# Allegro board Mic_Array_main_250pcs_release.brd (continued)
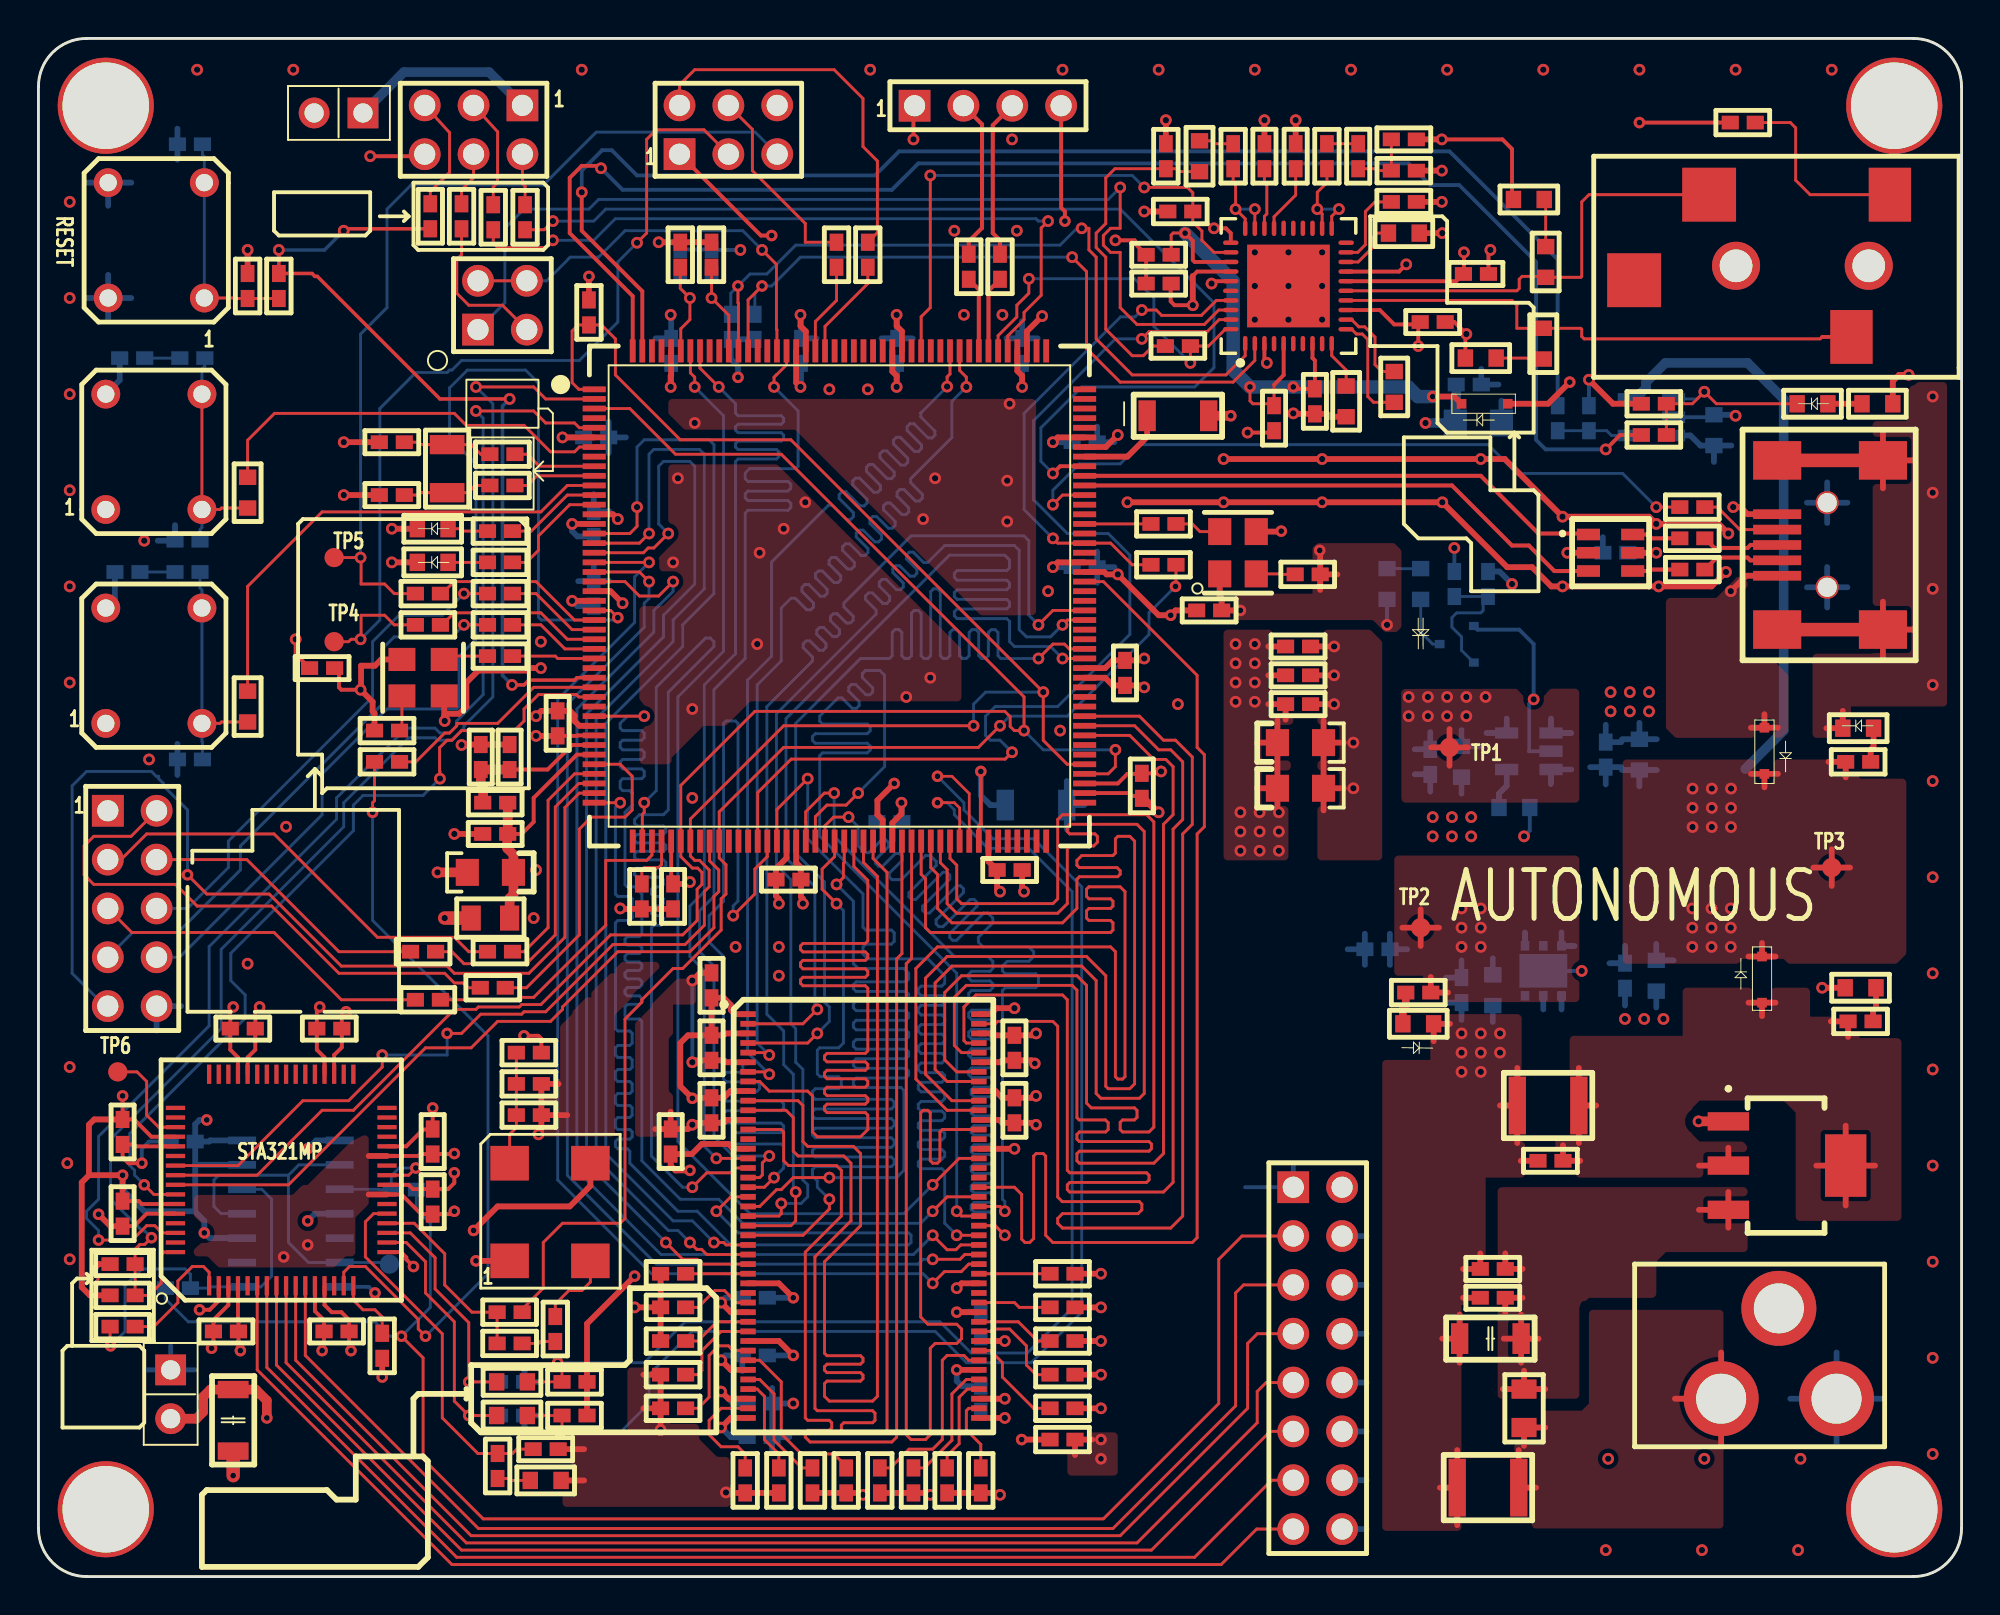
[diagram p0: board, top side]
## Copper pours and planes (outline as drawn; the poured copper is in the pictures) (continued)
N380637 on TOP: 75.88,9.25 80.12,9.25 80.12,14 80.62,14.5 84.12,14.5 84.12,16.38 84.62,16.88 88.88,16.88 88.88,20.25 75.88,20.25

## Text on the board
Ref Des/Silkscreen Top: 1 | STA321MP | RESET | AUTONOMOUS
PLACE_BOUND_TOP: FIGURE | SIZE | 0.3 | 0.3302 | 0.9 | 1.0 | 1.1 | 2.5999 | 4.5 | 1.7 | DRILL CHART: TOP to BOTTOM | ALL UNITS ARE IN MILLIMETERS | TOLERANCE | +0.1/-0.1 | +0.05/-0.05 | +0.0/-0.0 | PLATED | NON-PLATED | QTY | 84 | 380 | 12 | 4 | 2 | 46 | 3
